# Altium PCB DM1092.PcbDoc (part 1 of 5) (continued)
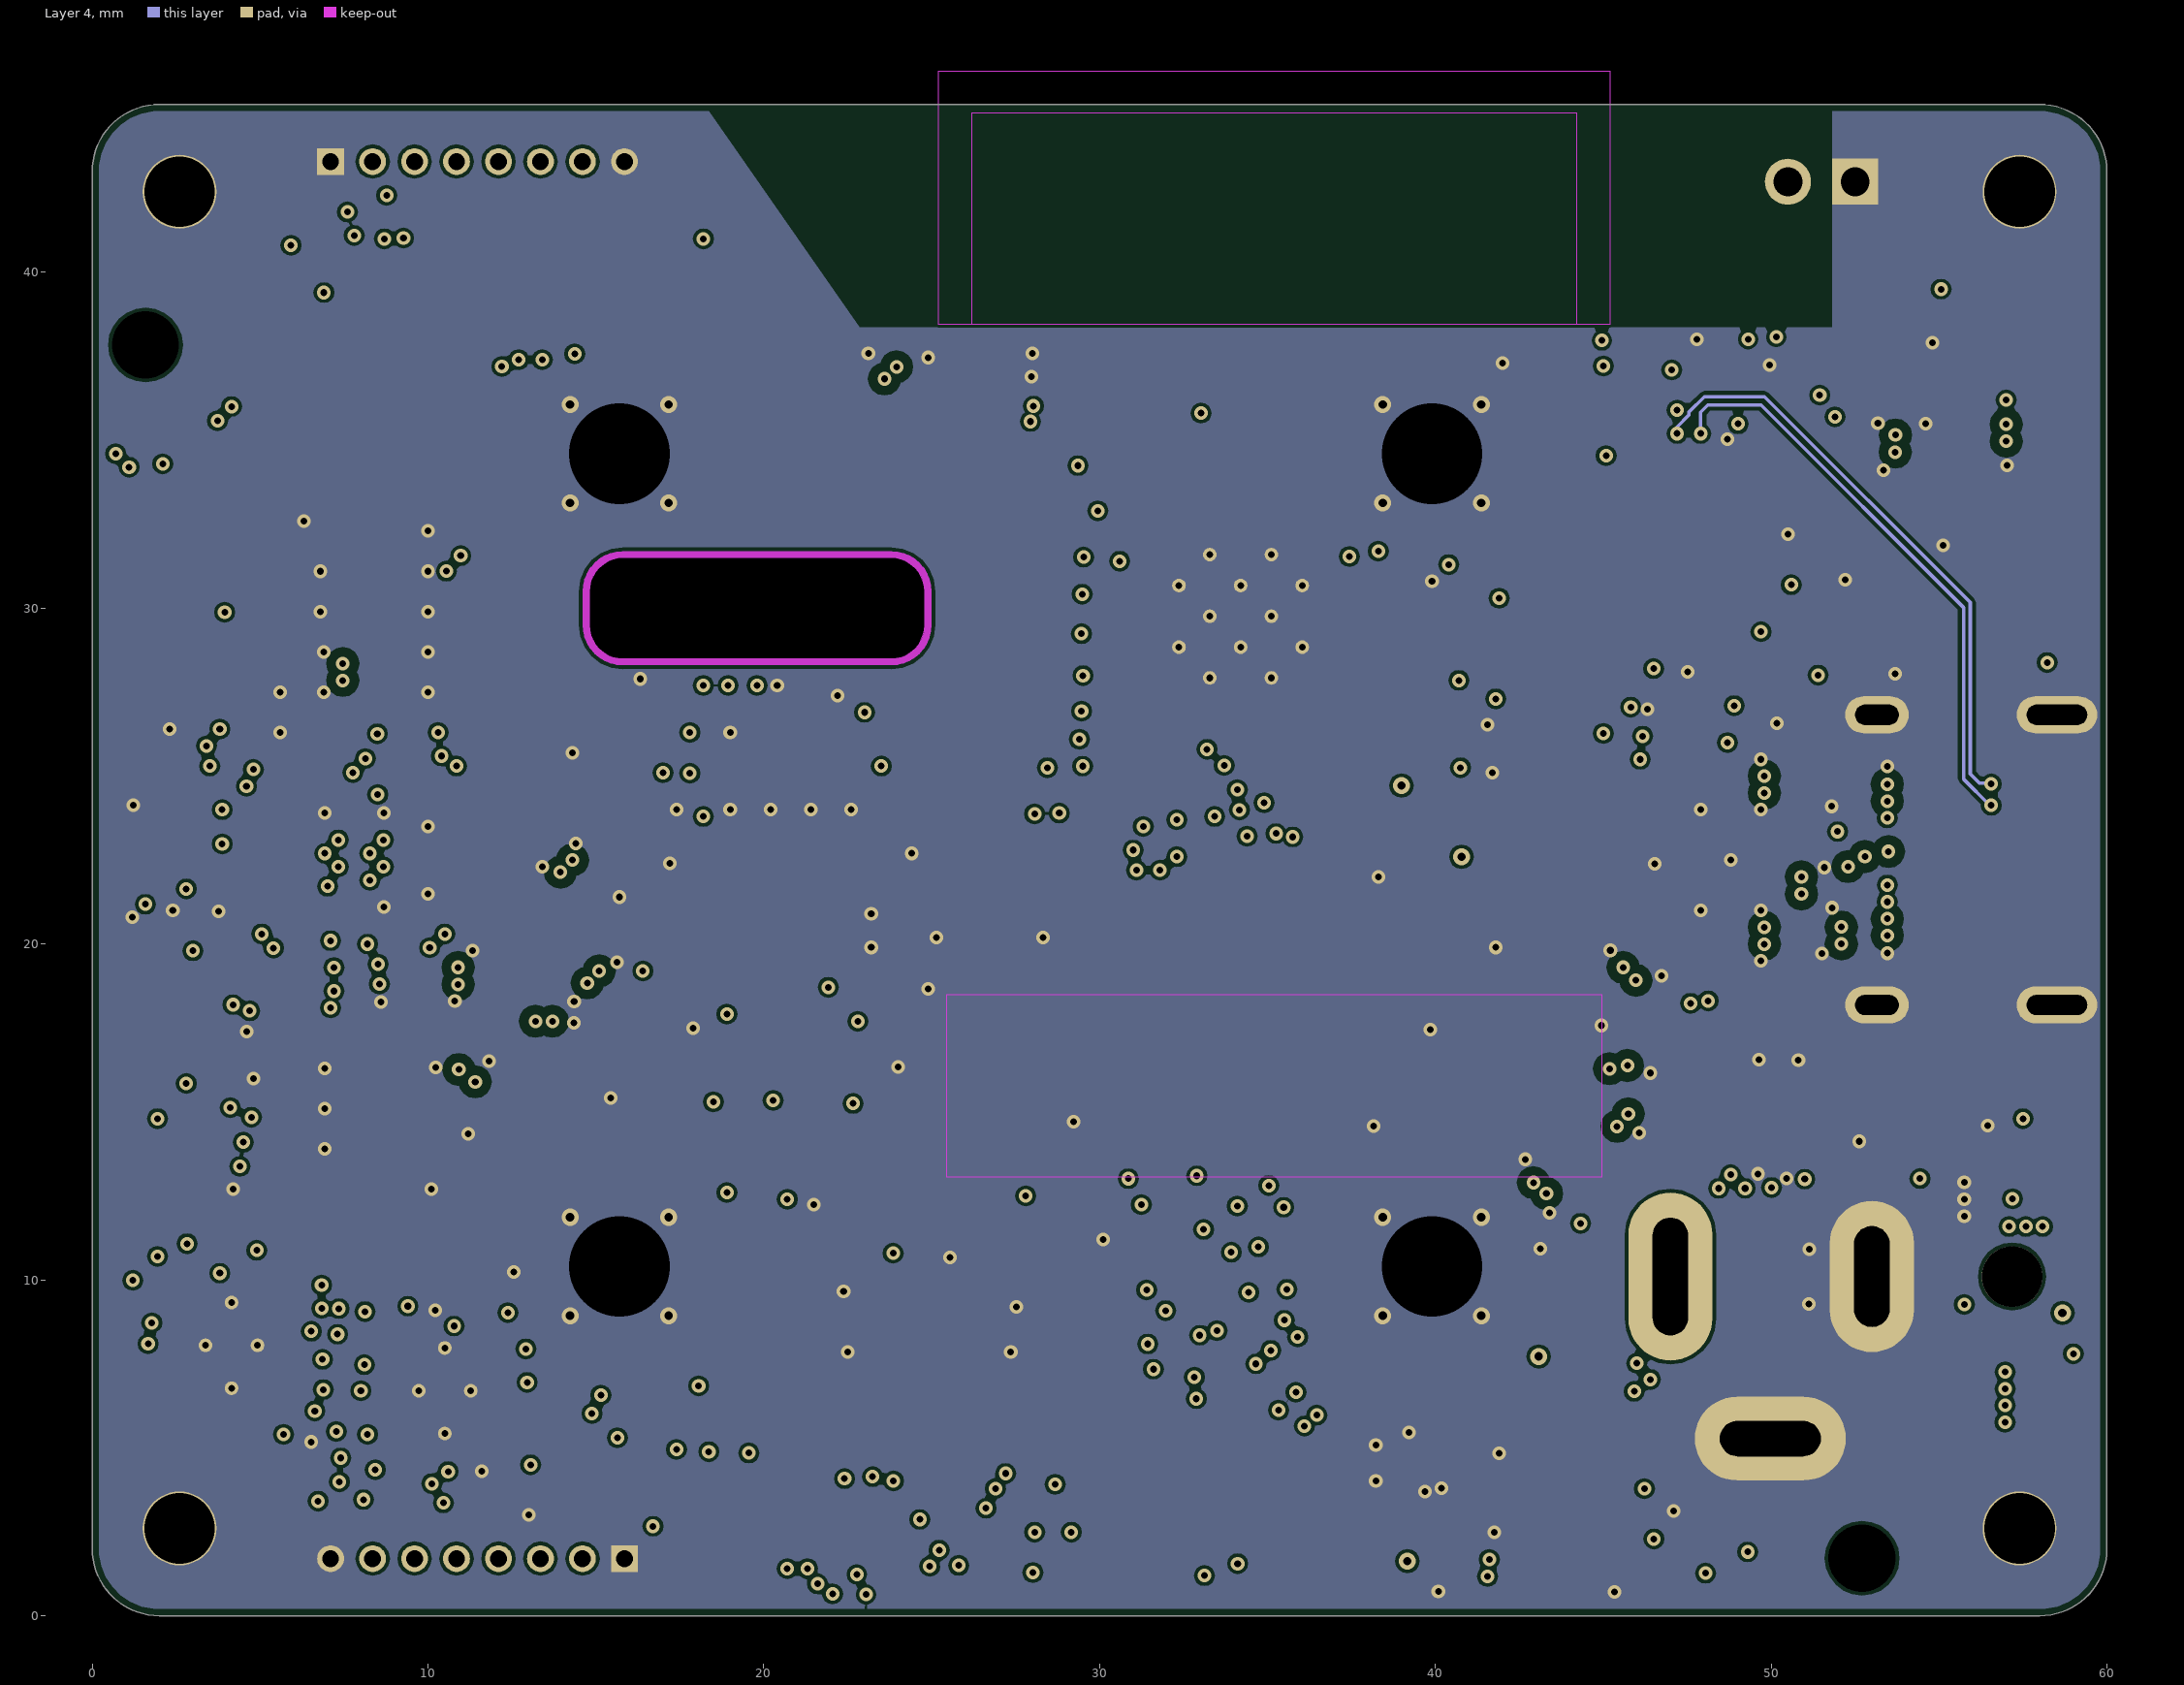
[diagram p4: Layer 4]
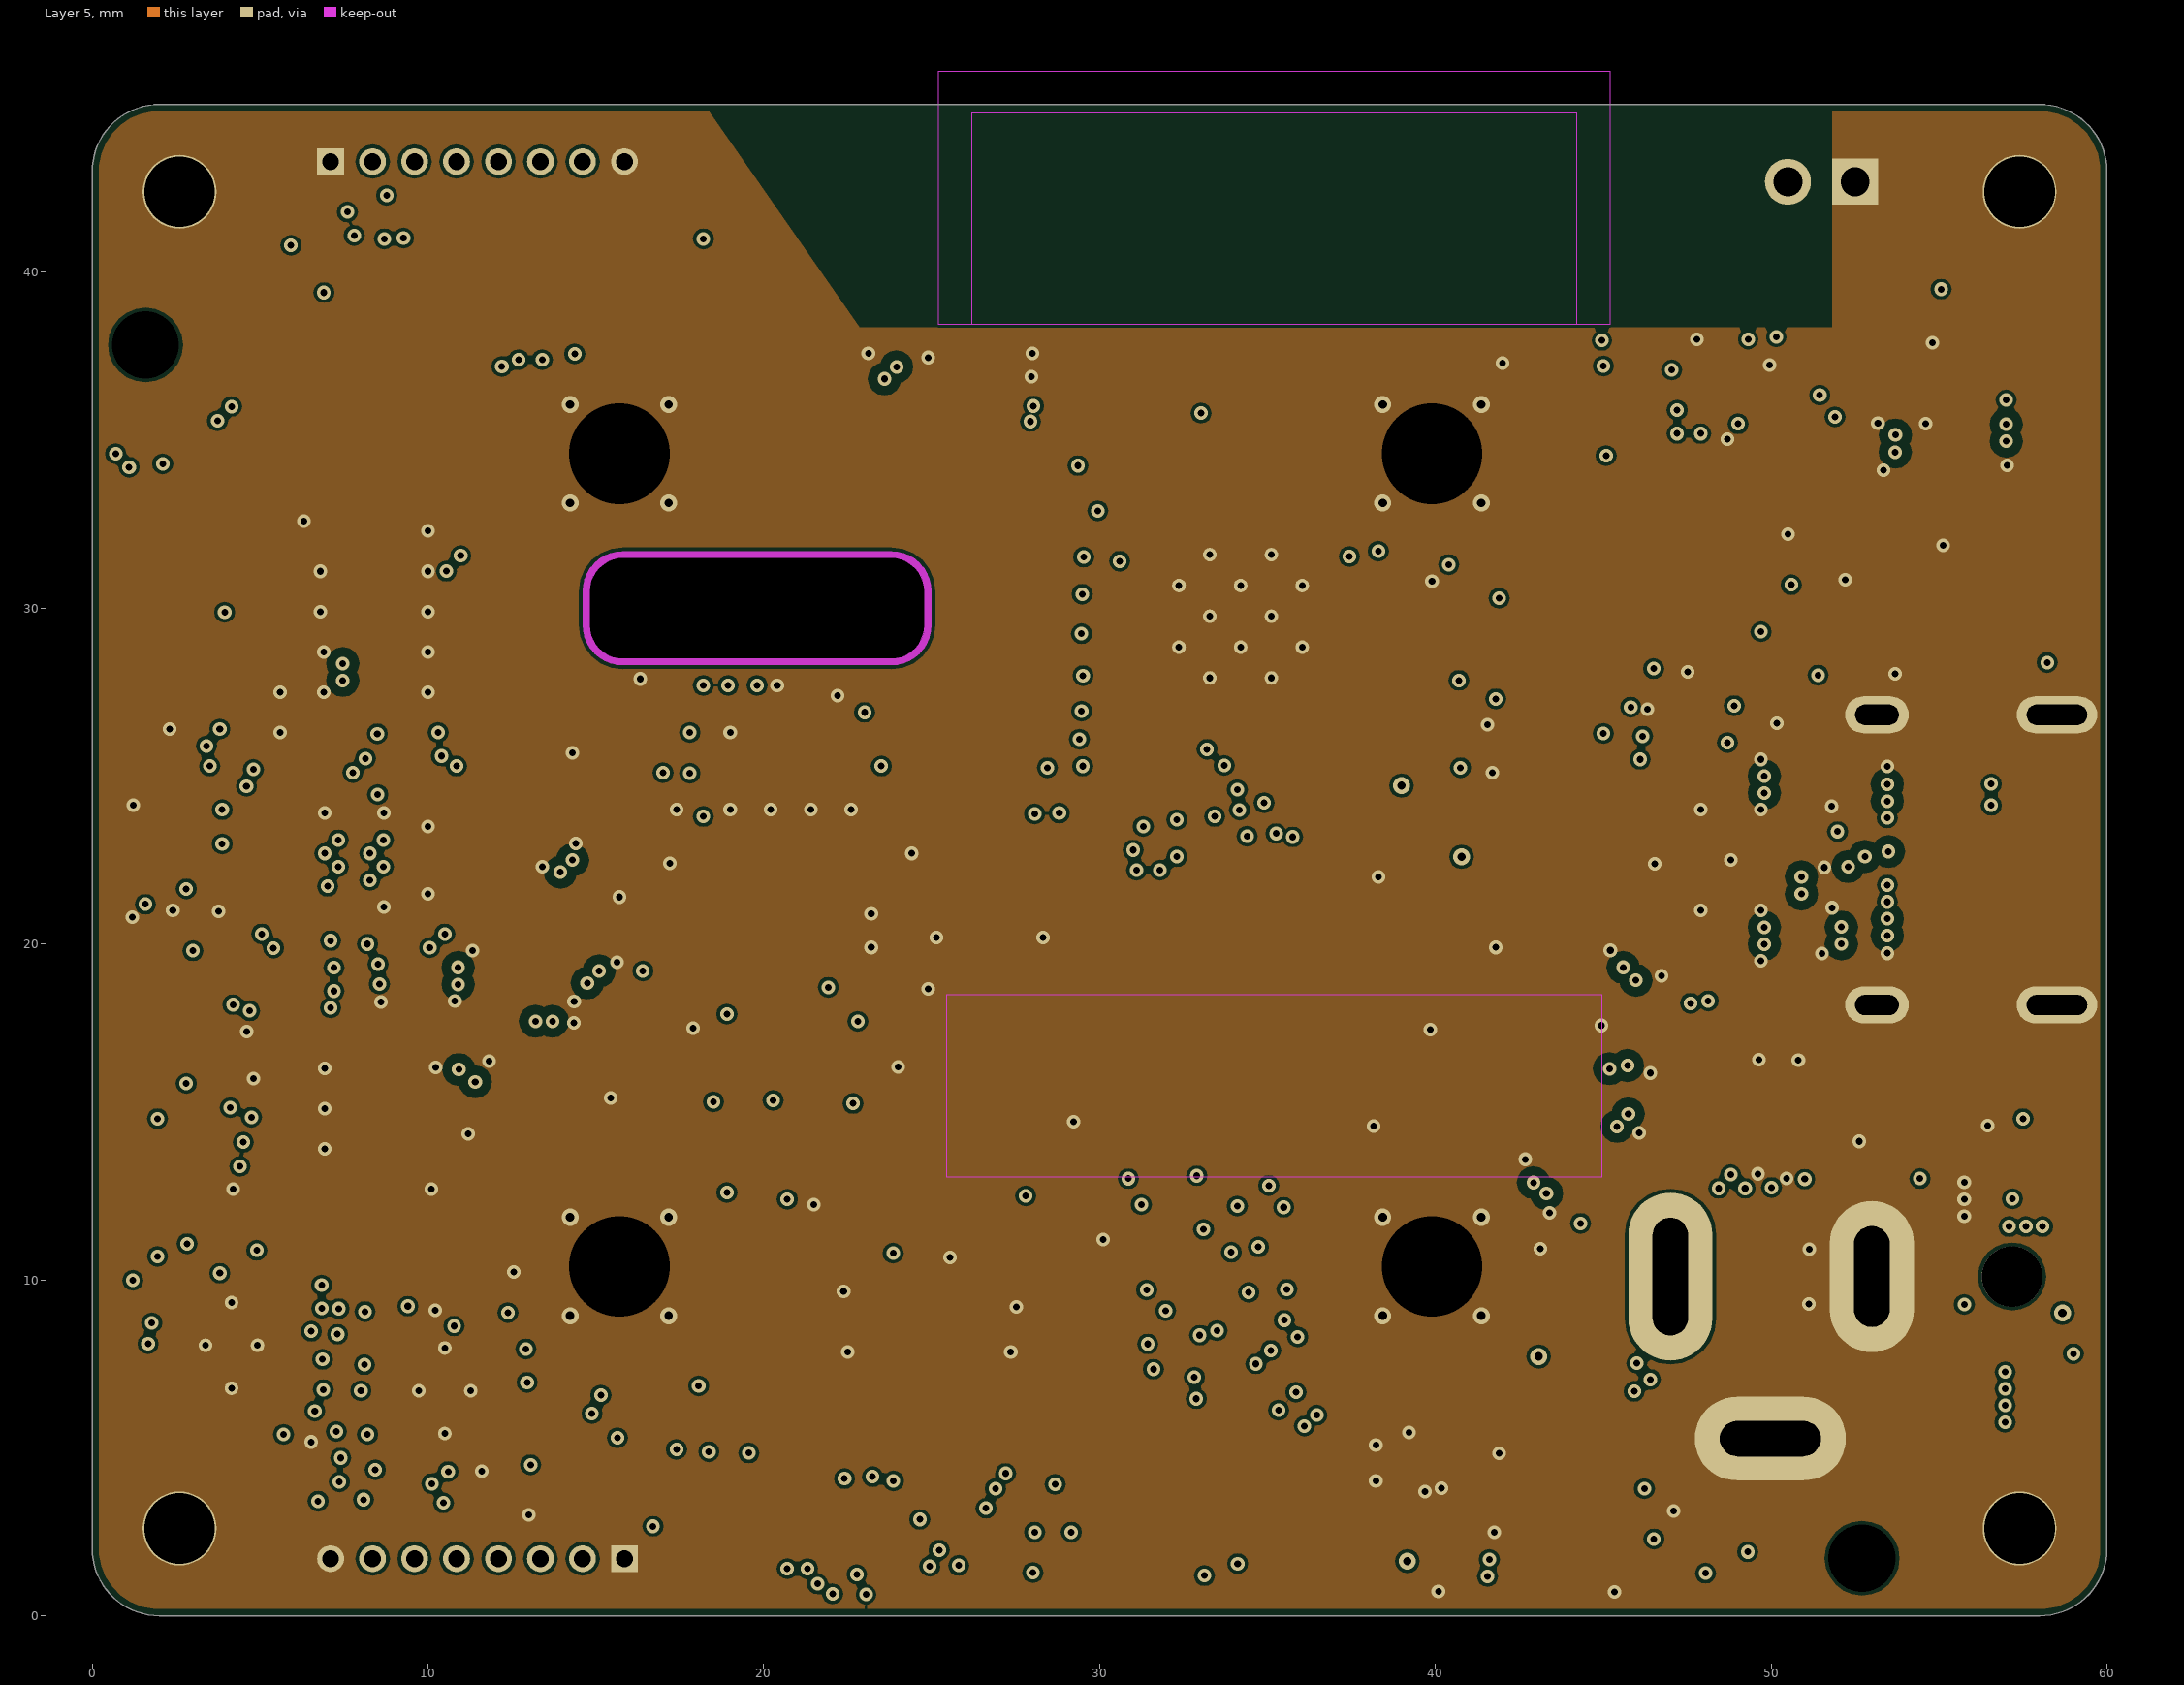
[diagram p5: Layer 5]

## Layer stack, top to bottom
Top Mask: solder mask 0.015, Solder Resist, Dk 3.8
Layer 1: signal copper 0.035
Dielectric 1: prepreg 0.1, 2313, Dk 4.05
Layer 2: signal copper 0.018
Core 1: core 0.565, FR-4, Dk 4.5
Layer 3: signal copper 0.018
Dielectric 2: prepreg 0.127, 2116, Dk 4.25
Layer 4: signal copper 0.018
Core 2: core 0.565, FR-4, Dk 4.5
Layer 5: signal copper 0.018
Dielectric 3: prepreg 0.1, 2313, Dk 4.05
Layer 6: signal copper 0.035
Bottom Mask: solder mask 0.015, Solder Resist, Dk 3.8

## Board outline
2,0 cw(c2,2) 0,2 0,43 cw(c2,43) 2,45 58,45 cw(c58,43) 60,43 60,2 cw(c58,2) 58,0

## Design rules (kind name [scope] priority, off if disabled: settings)
AssemblyTestPointUsage [All] p1: valid=2
BoardOutlineClearance [All] p1: gap=0.2 ignorepadtopadclearanceinfootprint=FALSE
Clearance DIFF_PAIR_GND [InPolygon vs InAnyDifferentialPair] p1: gap=0.381 ignorepadtopadclearanceinfootprint=TRUE
Clearance [All] p2: gap=0.1 ignorepadtopadclearanceinfootprint=TRUE
ComponentClearance [All] p1: gap=0 collisioncheckmode=3 verticalgap=0 showdistances=FALSE
DiffPairsRouting 90ohm [InDifferentialPairClass('USB3')] p1: maxlimit=0.254 minlimit=0.102 mostfreqgap=0.127 toplayer_maxgap=0.102 toplayer_prefgap=0.102 toplayer_minwidth=0.127 toplayer_maxwidth=0.127 toplayer_prefwidth=0.127 midlayer1_minwidth=0.381 midlayer1_maxwidth=0.381 midlayer1_prefwidth=0.381 midlayer2_mingap=0.127 midlayer2_maxgap=0.127 midlayer2_minwidth=0.127 midlayer2_maxwidth=0.127 midlayer2_prefwidth=0.127 midlayer3_mingap=0.127 midlayer3_maxgap=0.127 midlayer3_minwidth=0.127 midlayer3_maxwidth=0.127 midlayer3_prefwidth=0.127 midlayer4_minwidth=0.381 midlayer4_maxwidth=0.381 midlayer4_prefwidth=0.381 bottomlayer_maxgap=0.102 bottomlayer_prefgap=0.102 bottomlayer_minwidth=0.127 bottomlayer_maxwidth=0.127 bottomlayer_prefwidth=0.127 impedanceprofiledriven=TRUE maxuncoupledlength=12.7
DiffPairsRouting 100ohm [InDifferentialPairClass('100ohm')] p2: maxlimit=0.254 minlimit=0.114 mostfreqgap=0.152 toplayer_maxgap=0.114 toplayer_prefgap=0.114 toplayer_minwidth=0.102 toplayer_maxwidth=0.102 toplayer_prefwidth=0.102 midlayer1_minwidth=0.381 midlayer1_maxwidth=0.381 midlayer1_prefwidth=0.381 midlayer2_mingap=0.152 midlayer2_maxgap=0.152 midlayer2_minwidth=0.102 midlayer2_maxwidth=0.102 midlayer2_prefwidth=0.102 midlayer3_mingap=0.152 midlayer3_maxgap=0.152 midlayer3_minwidth=0.102 midlayer3_maxwidth=0.102 midlayer3_prefwidth=0.102 midlayer4_minwidth=0.381 midlayer4_maxwidth=0.381 midlayer4_prefwidth=0.381 bottomlayer_maxgap=0.114 bottomlayer_prefgap=0.114 bottomlayer_minwidth=0.102 bottomlayer_maxwidth=0.102 bottomlayer_prefwidth=0.102 impedanceprofiledriven=TRUE maxuncoupledlength=12.7
FabricationTestPointUsage [All] p1: valid=2 allowmultiple=FALSE
FanoutControl [All] p1: bgadir=Out bgaviamode=Centered fanoutstyle=Rows fanoutdirection=OutOnly viagrid=0.025
FanoutControl Fanout_BGA [IsBGA] p2: bgadir=Out bgaviamode=Centered fanoutstyle=Auto fanoutdirection=Alternating viagrid=0.025 // Fanout_BGA (Default Rule)
FanoutControl Fanout_LCC [IsLCC] p3: bgadir=Out bgaviamode=Centered fanoutstyle=Auto fanoutdirection=Alternating viagrid=0.025 // Fanout_LCC (Default Rule)
FanoutControl Fanout_SOIC [IsSOIC] p4: bgadir=Out bgaviamode=Centered fanoutstyle=Auto fanoutdirection=Alternating viagrid=0.025 // Fanout_SOIC (Default Rule)
FanoutControl Fanout_Small [(CompPinCount < 5)] p5: bgadir=Out bgaviamode=Centered fanoutstyle=Auto fanoutdirection=OutThenIn viagrid=0.025 // Fanout_Small (Default Rule)
FanoutControl Fanout_Default [All] p6: bgadir=Out bgaviamode=Centered fanoutstyle=Auto fanoutdirection=Alternating viagrid=0.025 // Fanout_Default (Default Rule)
HoleSize [All] p1: absolutevalues=TRUE maxlimit=25.4 minlimit=0.2 maxpercent=80.000 minpercent=20.000
HoleToHoleClearance [All] p1: gap=0.254 allowstackedmicrovias=FALSE
MatchedLengths SPI0 [InxSignalClass('SPI0')] p1: tolerance=50 checknetsindiffpair=FALSE checkdiffpairvsdiffpair=TRUE checkxsignals=TRUE checkothers=TRUE usedelayunits=TRUE delaytolerance=50.000000
MatchedLengths "Altium issue" [InxSignalClass('Altium issue')] p2: tolerance=50 checknetsindiffpair=FALSE checkdiffpairvsdiffpair=TRUE checkxsignals=TRUE checkothers=TRUE
MatchedLengths SPI0_IMU [InxSignalClass('SPI0_IMU')] p3: tolerance=50 checknetsindiffpair=FALSE checkdiffpairvsdiffpair=TRUE checkxsignals=TRUE checkothers=TRUE usedelayunits=TRUE delaytolerance=50.000000
MatchedLengths "Schematic Matched Net Lengths_5" [InNetClass('SPI0_3V3')] p4: tolerance=2.54 checknetsindiffpair=FALSE checkdiffpairvsdiffpair=TRUE checkxsignals=TRUE checkothers=TRUE usedelayunits=TRUE delaytolerance=50.000000
MatchedLengths "Schematic Matched Net Lengths_3" [InNetClass('VDDIOB_GPIO')] p5: tolerance=2.54 checknetsindiffpair=FALSE checkdiffpairvsdiffpair=TRUE checkxsignals=TRUE checkothers=TRUE usedelayunits=TRUE delaytolerance=50.000000
MatchedLengths General_Diff_Pair [InDifferentialPairClass('All Differential Pairs')] p6: tolerance=0.127 checknetsindiffpair=TRUE checkdiffpairvsdiffpair=FALSE checkxsignals=FALSE checkothers=FALSE usedelayunits=TRUE delaytolerance=0.500000
MatchedLengths "Schematic Matched Net Lengths_2" [InNetClass('MIPI_CAM_C')] p7: tolerance=0.127 checknetsindiffpair=FALSE checkdiffpairvsdiffpair=TRUE checkxsignals=TRUE checkothers=TRUE usedelayunits=TRUE delaytolerance=1.000000
MatchedLengths "Schematic Matched Net Lengths_1" [InNetClass('MIPI_CAM_B')] p8: tolerance=0.127 checknetsindiffpair=FALSE checkdiffpairvsdiffpair=TRUE checkxsignals=TRUE checkothers=TRUE usedelayunits=TRUE delaytolerance=1.000000
MatchedLengths "Schematic Matched Net Lengths" [InNetClass('MIPI_CAM_A')] p9: tolerance=0.127 checknetsindiffpair=FALSE checkdiffpairvsdiffpair=TRUE checkxsignals=TRUE checkothers=TRUE usedelayunits=TRUE delaytolerance=1.000000
MinimumSolderMaskSliver [All vs not ( HasFootprint('DF40HC-3.0-100DS-0.4V_minpad')  or HasFootprint('CP2102N-A02-GQFN28R')  or HasFootprint('10118192-0001LF')  or HasFootprint('TPD4EUSB30DQAR')  or HasFootprint('105450-0101') )] p1: minsoldermaskwidth=0.076
PolygonConnect [All] p1: thpad.connectstyle=Direct thpad.reliefconductorwidth=0.254 thpad.reliefentries=4 thpad.polygonreliefangle="90 Angle" thpad.airgapwidth=0.254 smdpad.connectstyle=Relief smdpad.reliefconductorwidth=0.254 smdpad.reliefentries=4 smdpad.polygonreliefangle="90 Angle" smdpad.airgapwidth=0.254 via.connectstyle=Direct via.reliefconductorwidth=0.254 via.reliefentries=4 via.polygonreliefangle="90 Angle" via.airgapwidth=0.254
RoutingVias RoutingVias_DiffPairs [InDifferentialPairClass('All Differential Pairs')] p1: holewidth=0.203 width=0.406 viastyle="Through Hole" minholewidth=0.203 minwidth=0.406 maxholewidth=25.4 maxwidth=25.4
RoutingVias RoutingVias_General [All] p2: holewidth=0.254 width=0.508 viastyle="Through Hole" minholewidth=0.203 minwidth=0.406 maxholewidth=25.4 maxwidth=25.4
SilkToSilkClearance [All] p1: silktosilkclearance=0.025
SilkToSolderMaskClearance [InPadClass('All Pads')] p1: minsilkscreentomaskgap=0 clearancetoexposedcopper=FALSE
SolderMaskExpansion [All] p1: expansion=0.102 istentingtop=FALSE
UnRoutedNet [All] p1: checkbadconnections=TRUE
Width [All] p1: maxlimit=2 minlimit=0.102 preferedwidth=0.102 minimp=50.000000 maximp=50.000000 favimp=50.000000
15 further rules are at their usual default settings.

## Classes and differential pairs
net class SPI0: GPIO8/SPI0_CS_1 SPI0_CS_0 SPI0_SCK SPI0_SIO0 SPI0_SIO1 SPI0_SIO2 SPI0_SIO3
differential pair class USB3: RXB RXC TXB TXB1 TXC TXC1 USB_D USB_RX USB_TX USBSER_D
differential pair class 100ohm: MIPI_RX2_C MIPI_RX2_D0 MIPI_RX2_D1 MIPI_RX3_C MIPI_RX3_D0 MIPI_RX3_D1 MIPI_RX4_C MIPI_RX4_D0 MIPI_RX4_D1 MIPI_RX5_D0 MIPI_RX5_D1
net class VDDIOB_GPIO: ESP_GPIO2 ESP_GPIO4 ESP_GPIO12 ESP_GPIO13 ESP_GPIO14 ESP_GPIO15
net class SPI0_3V3: ESP_GPIO27 VSPI_CS0 VSPI_HOLDn_SIO3 VSPI_SCK VSPI_SDI_SIO1 VSPI_SDO_SIO0 VSPI_WPn_SIO2
net class Power_trace: 1V2_L 1V2_R 1V05_IMX378 1V8_IMX378 1V8_L 1V8_R 2V8_IMX378 2V8_L 2V8_R 3V3 NetC40_2 VBUS VDD_5V
net class MIPI_CAM_C: MIPI_RX3_C_N MIPI_RX3_C_P MIPI_RX3_D0_N MIPI_RX3_D0_P MIPI_RX3_D1_N MIPI_RX3_D1_P
net class MIPI_CAM_B: MIPI_RX2_C_N MIPI_RX2_C_P MIPI_RX2_D0_N MIPI_RX2_D0_P MIPI_RX2_D1_N MIPI_RX2_D1_P
net class MIPI_CAM_A: MIPI_RX4_C_N MIPI_RX4_C_P MIPI_RX4_D0_N MIPI_RX4_D0_P MIPI_RX4_D1_N MIPI_RX4_D1_P MIPI_RX5_D0_N MIPI_RX5_D0_P MIPI_RX5_D1_N MIPI_RX5_D1_P
component class U_BW1092_USB: C29 C30 C31 C32 C33 C34 C35 C36 C41 D6 D7 D8 J10 R11 R12 R13 R14 R15 R16 R17 R18 R19 R20 R21 TP19 TP21 TP22 TP23 U5 U6
component class U_BW1092_RIGHT_OV9282: C23 C24 C25 C26 C27 C28 FB7 FB8 FB9 J9 R9 R10 TP18
component class U_BW1092_QWIIC: J11
component class U_BW1092_Power_Supply: C13 C14 C15 C16 C17 C18 C19 C20 C21 C22 C38 C39 C40 D1 J7 J8 L1 L2 R5 R6 R7 R8 TP6 TP7 TP8 TP10 TP11 TP12 TP13 TP14 TP15 TP16 TP17 TP20 TP24 TP25 U1 U2 U3 U4 U8 U9 U10
component class U_BW1092_LEVEL_SHIFT: C49 C50 C51 C52 C53 C54 R39 R40 U13 U14
component class U_BW1092_LEFT_OV9282: C7 C8 C9 C10 C11 C12 FB4 FB5 FB6 J3 R2 R3 R4 R24 R26 TP5
component class U_BW1092_IMX378: C1 C2 C3 C4 C5 C6 FB1 FB2 FB3 J2 R1
component class U_BW1092_IMU: C42 C43 C44 C45 C46 C47 C48 R29 R30 R35 R36 R37 R38 TP26 U12 Y1
component class U_BW1092_ESP32: C55 C56 C57 C58 D5 J4 J5 J6 Q4 R41 R42 R43 R44 R45 R46 TP29 TP30 TP31 TP33 TP35 TP36 TP38 TP40 TP41 TP42 TP43 TP44 TP45 TP46 TP47 TP53 TP57 TP58 TP59 TP60 U11 U15
component class U_BW1092_Connector: B1 D2 D3 D4 J1 MH1 MH2 MH3 MH4 MISC1 Q1 Q2 Q3 R31 R32 R33 R34 TP1 TP2 TP3 TP4
component class DM1092_TopLevel: FID1 FID2 FID3 FID4 FID5 FID6 MP5 MP6 MP7 MP8
differential pair USBSER_D: +USBSER_D_P -USBSER_D_N
differential pair USB_TX: +USB_TX_P -USB_TX_N
differential pair USB_RX: +USB_RX_P -USB_RX_N
differential pair USB_D: +USB_D_P -USB_D_N
differential pair TXC: +TXC_P -TXC_N
differential pair TXC1: +TXC1_P -TXC1_N
differential pair TXB: +TXB_P -TXB_N
differential pair TXB1: +TXB1_P -TXB1_N
differential pair RXC: +RXC_P -RXC_N
differential pair RXB: +RXB_P -RXB_N
differential pair MIPI_RX5_D1: +MIPI_RX5_D1_P -MIPI_RX5_D1_N
differential pair MIPI_RX5_D0: +MIPI_RX5_D0_P -MIPI_RX5_D0_N
differential pair MIPI_RX4_D1: +MIPI_RX4_D1_P -MIPI_RX4_D1_N
differential pair MIPI_RX4_D0: +MIPI_RX4_D0_P -MIPI_RX4_D0_N
differential pair MIPI_RX4_C: +MIPI_RX4_C_P -MIPI_RX4_C_N
differential pair MIPI_RX3_D1: +MIPI_RX3_D1_P -MIPI_RX3_D1_N
differential pair MIPI_RX3_D0: +MIPI_RX3_D0_P -MIPI_RX3_D0_N
differential pair MIPI_RX3_C: +MIPI_RX3_C_P -MIPI_RX3_C_N
differential pair MIPI_RX2_D1: +MIPI_RX2_D1_P -MIPI_RX2_D1_N
differential pair MIPI_RX2_D0: +MIPI_RX2_D0_P -MIPI_RX2_D0_N
differential pair MIPI_RX2_C: +MIPI_RX2_C_P -MIPI_RX2_C_N

## Components (designator, comment, footprint, x,y, rotation, side; value= is the part's Value field where it differs from the comment)
B1 "Off-Mom, 50mA" DTSM-32N-V 52.8,34.9 r90 bottom locked
C1 "0.1uF 0402" CAPC0402(1005)70_L 17.5,25.7 r180 top
C2 "10uF 0603" CAPC0603(1608)100_L 17.2,22.5 r90 top
C3 "0.1uF 0402" CAPC0402(1005)70_L 19.001,24.684 r180 top
C4 "10uF 0603" CAPC0603(1608)100_L 19,26.3 r270 top
C5 "0.1uF 0402" CAPC0402(1005)70_L 17.29,27.15 r270 top
C6 "10uF 0603" CAPC0603(1608)100_L 15.649,26.97 r0 top
C7 "0.1uF 0402" CAPC0402(1005)70_L 49.05,18.75 r180 top
C8 "10uF 0603" CAPC0603(1608)100_L 49.5,17.9 r180 bottom
C9 "0.1uF 0402" CAPC0402(1005)70_L 47.498,19.177 r270 top
C10 "10uF 0603" CAPC0603(1608)100_L 46.2,17.8 r0 bottom
C11 "0.1uF 0402" CAPC0402(1005)70_L 50.876,12.09 r90 top
C12 "10uF 0603" CAPC0603(1608)100_L 50.419,15.748 r0 bottom
C13 "22uF 0603" CAPC0603(1608)100_L 57.1,12.4 r0 top
C14 "22uF 0603" CAPC0603(1608)100_L 58,6.4 r90 top
C15 "10uF 0603" CAPC0603(1608)100_L 39.218,1.626 r180 top
C16 "22uF 0603" CAPC0603(1608)100_N 36.589,4.521 r0 top
C17 "10uF 0603" CAPC0603(1608)100_L 24,16.4 r90 top
C18 "10uF 0603" CAPC0603(1608)100_L 19.1,16.4 r270 top
C19 "10uF 0603" CAPC0603(1608)100_L 17.3,16.7 r180 top
C20 "10uF 0603" CAPC0603(1608)100_L 15.7,21.5 r90 top
C21 "10uF 0603" CAPC0603(1608)100_L 23.6,18.5 r180 top
C22 "22uF 0603" CAPC0603(1608)100_L 22.647,23.046 r180 top
C23 "0.1uF 0402" CAPC0402(1005)70_L 7.9,19 r270 top
C24 "10uF 0603" CAPC0603(1608)100_L 3.3,13.7 r90 top
C25 "0.1uF 0402" CAPC0402(1005)70_L 5.9,18.5 r0 top
C26 "10uF 0603" CAPC0603(1608)100_L 3.3,17.3 r270 top
C27 "0.1uF 0402" CAPC0402(1005)70_L 11.278,12.37 r180 top
C28 "10uF 0603" CAPC0603(1608)100_L 11.1,11.405 r180 top
C29 "10uF 0402" CAPC0402(1005)70_L 57.551,19.282 r180 top
C30 "10uF 0402" CAPC0402(1005)70_L 57.559,20.163 r180 top
C31 "0.1uF 0201" CAPC0201(0603)33_L 46.8,23.5 r180 bottom locked
C32 "0.1uF 0201" CAPC0201(0603)33_L 46.8,22.9 r180 bottom locked
C33 "0.1uF 0201" CAPC0201(0603)33_L 46.8,20.5 r180 bottom locked
C34 "0.1uF 0201" CAPC0201(0603)33_L 46.8,19.9 r180 bottom locked
C35 "10uF 0402" CAPC0402(1005)70_L 39.7,22.6 r0 bottom
C36 "10uF 0402" CAPC0402(1005)70_L 40.424,26.933 r90 bottom
C38 "10uF 0603" CAPC0603(1608)100_L 22.5,13.7 r90 top
C39 "10uF 0603" CAPC0603(1608)100_L 17.5,14.5 r270 top
C40 "1uF 0402" CAPC0402(1005)70_L 50.1,10.1 r180 top
C41 "1uF 0402" CAPC0402(1005)70_N 56.286,28.016 r180 top
C42 "10uF 0603" CAPC0603(1608)100_N 22.3,11.4 r0 top
C43 "10uF 0603" CAPC0603(1608)100_N 30.1,11.2 r180 top
C44 "0.1uF 0402" CAPC0402(1005)70_N 25.1,11.4 r180 top
C45 "0.1uF 0402" CAPC0402(1005)70_N 27.4,11.4 r0 top
C46 "0.1uF 0402" CAPC0402(1005)70_N 21.6,8.95 r90 top
C47 "18pF 0201" CAPC0201(0603)33_N 28.625,7.62 r90 top
C48 "18pF 0201" CAPC0201(0603)33_N 28.625,9.32 r270 top
C49 "0.1uF 0402" CAPC0402(1005)70_N 11.499,10.236 r180 top
C50 "0.1uF 0402" CAPC0402(1005)70_N 9.093,10.185 r180 top
C51 "1uF 0402" CAPC0402(1005)70_N 11.7,3.1 r180 top
C52 "0.1uF 0402" CAPC0402(1005)70_N 3.85,11.8 r180 top
C53 "0.1uF 0402" CAPC0402(1005)70_N 5.715,11.829 r270 top
C54 "1uF 0402" CAPC0402(1005)70_N 5.9,4.5 r180 top
C55 "0.1uF 0402" CAPC0402(1005)70_N 27.1,36.5 r270 bottom locked
C56 "10uF 0603" CAPC0603(1608)100_N 28.783,36.021 r270 bottom
C57 "4.7uF 0603" CAPC0603(1608)100_N 31.115,36.703 r0 bottom
C58 "4.7uF 0603" CAPC0603(1608)100_N 52.2,30.1 r180 bottom
D1 "3W, 5.6V" 1SMB5919BT3G 43.637,3.912 r270 top
D2 "RED 0603" SML_D1xx8W 45.5,2.3 r270 bottom
D3 "ORANGE 0603" SML_D1xx8W 42.75,2.3 r270 bottom
D4 "ORANGE 0603" SML_D1xx8W 40,2.3 r270 bottom
D5 "PESD5V0L5UY,125" PESD5V0L5UY,125 56.8,35.5 r0 top
D6 "TPD4EUSB30DQAR" TPD4EUSB30DQAR 47.8,22.5 r90 top
D7 "TPD4EUSB30DQAR" TPD4EUSB30DQAR 48.8,24 r270 bottom locked
D8 "TPD4EUSB30DQAR" TPD4EUSB30DQAR 48.8,21 r270 bottom locked
FB1 "600R/100MHz" 2508056017Y2 15.6,24.6 r90 top
FB2 "600R/100MHz" 2508056017Y2 21.6,25.3 r180 top
FB3 "600R/100MHz" 2508056017Y2 19.6,22.6 r180 top
FB4 "600R/100MHz" 2508056017Y2 54,16.3 r180 bottom
FB5 "600R/100MHz" 2508056017Y2 44.2,9.8 r90 bottom
FB6 "600R/100MHz" 2508056017Y2 44.2,6 r90 bottom locked
FB7 "600R/100MHz" 2508056017Y2 8.103,11.76 r0 top
FB8 "600R/100MHz" 2508056017Y2 1.6,16.7 r90 top
FB9 "600R/100MHz" 2508056017Y2 1.6,12.7 r90 top
FID1 "FIDUCIAL_ROUND_1MM" FIDUCIAL_ROUND_1MM 58.477,38.7 r180 top
FID2 "FIDUCIAL_ROUND_1MM" FIDUCIAL_ROUND_1MM 18.796,1.524 r180 top
FID3 "FIDUCIAL_ROUND_1MM" FIDUCIAL_ROUND_1MM 3.8,39.05 r0 bottom
FID4 "FIDUCIAL_ROUND_1MM" FIDUCIAL_ROUND_1MM 5.55,9.5 r0 bottom
FID5 "FIDUCIAL_ROUND_1MM" FIDUCIAL_ROUND_1MM 18.796,1.524 r0 bottom
FID6 "FIDUCIAL_ROUND_1MM" FIDUCIAL_ROUND_1MM 3.8,39.05 r180 top
J1 "DF40HC(3.0)-100DS-0.4V_BW1099EMB_Receptacle" DF40HC-3.0-100DS-0.4V_minpad 7.8,22.5 r180 bottom locked
J2 "24-5804-030-000-829+" A12N02A-201_1.6mmbrd_MatedModule 19.8,25.7 r180 bottom locked
J3 "BBR43-24KB533 for camera module TG161B-201" TG161B-201_HD 49.8,15.438 r0 top locked
J4 "USB2.0 MICRO B" 10118192-0001LF 58.575,34.9 r270 bottom locked
J5 "8pin 1.25mm Molex Picoblade" 53047-0810 11.475,1.7 r0 bottom locked
J6 "8pin 1.25mm Molex Picoblade" 53047-0810 11.475,43.3 r180 bottom locked
J7 "PJ-050AH or NEB21R" PJ-050AH/NEB21R_COMBO 53.025,10.1 r270 bottom locked
J8 "B2B-PH-K-S(LF)(SN)" B2B-PH-K-S(LF)(SN) 51.5,42.15 r0 bottom locked
J9 "BBR43-24KB533 for camera module TG161B-201" TG161B-201_HD 9.8,15.438 r0 top locked
J10 "USB3.1 TYPEC 24P SMD RA" 105450-0101 53.391,22.506 r270 bottom locked
J11 "QUIIC, side entry" SM04B-SRSS-TB(LF)(SN) 3.1,22.5 r270 top
L1 "1uH, 3.2A, 20%" DFE252012P-1R0M=P2 20.3,19.9 r90 top
L2 "1uH, 3.2A, 20%" DFE252012P-1R0M=P2 36.5,2.515 r180 top
MH1 "M2, 3MM steel spacer on M2.5 mounting pad" 9774030243R 15.7,10.4 r45 bottom locked
MH2 "M2, 3MM steel spacer on M2.5 mounting pad" 9774030243R 39.9,10.4 r45 bottom locked
MH3 "M2, 3MM steel spacer on M2.5 mounting pad" 9774030243R 39.9,34.6 r45 bottom locked
MH4 "M2, 3MM steel spacer on M2.5 mounting pad" 9774030243R 15.7,34.6 r45 bottom locked
MISC1 "Layout guide for BW1099" BW1099_R3_KTHSNF_Footprint 7.8,22.5 r180 bottom
MP5 "MOUNTING_HOLE_M2" MOUNTING_HOLE_M2 2.6,42.4 r180 top
MP6 "MOUNTING_HOLE_M2" MOUNTING_HOLE_M2 57.4,2.6 r180 top
MP7 "MOUNTING_HOLE_M2" MOUNTING_HOLE_M2 2.6,2.6 r180 top
MP8 "MOUNTING_HOLE_M2" MOUNTING_HOLE_M2 57.4,42.4 r180 top
Q1 "RE1C002UNTCL" RE1C002UNTCL 46.99,3.116 r90 top
Q2 "RE1C002UNTCL" RE1C002UNTCL 41.207,4.953 r0 bottom
Q3 "RE1C002UNTCL" RE1C002UNTCL 39.192,4.953 r0 bottom
Q4 "BC847S" BC847S 47.3,36.4 r180 bottom locked
R1 "10K 0402" RESC0402(1005)_L 3.5,27.1 r180 bottom
R2 "10K 0402" RESC0402(1005)_L 3.1,19 r180 bottom